# KiCad board Pre-Layout.kicad_pcb
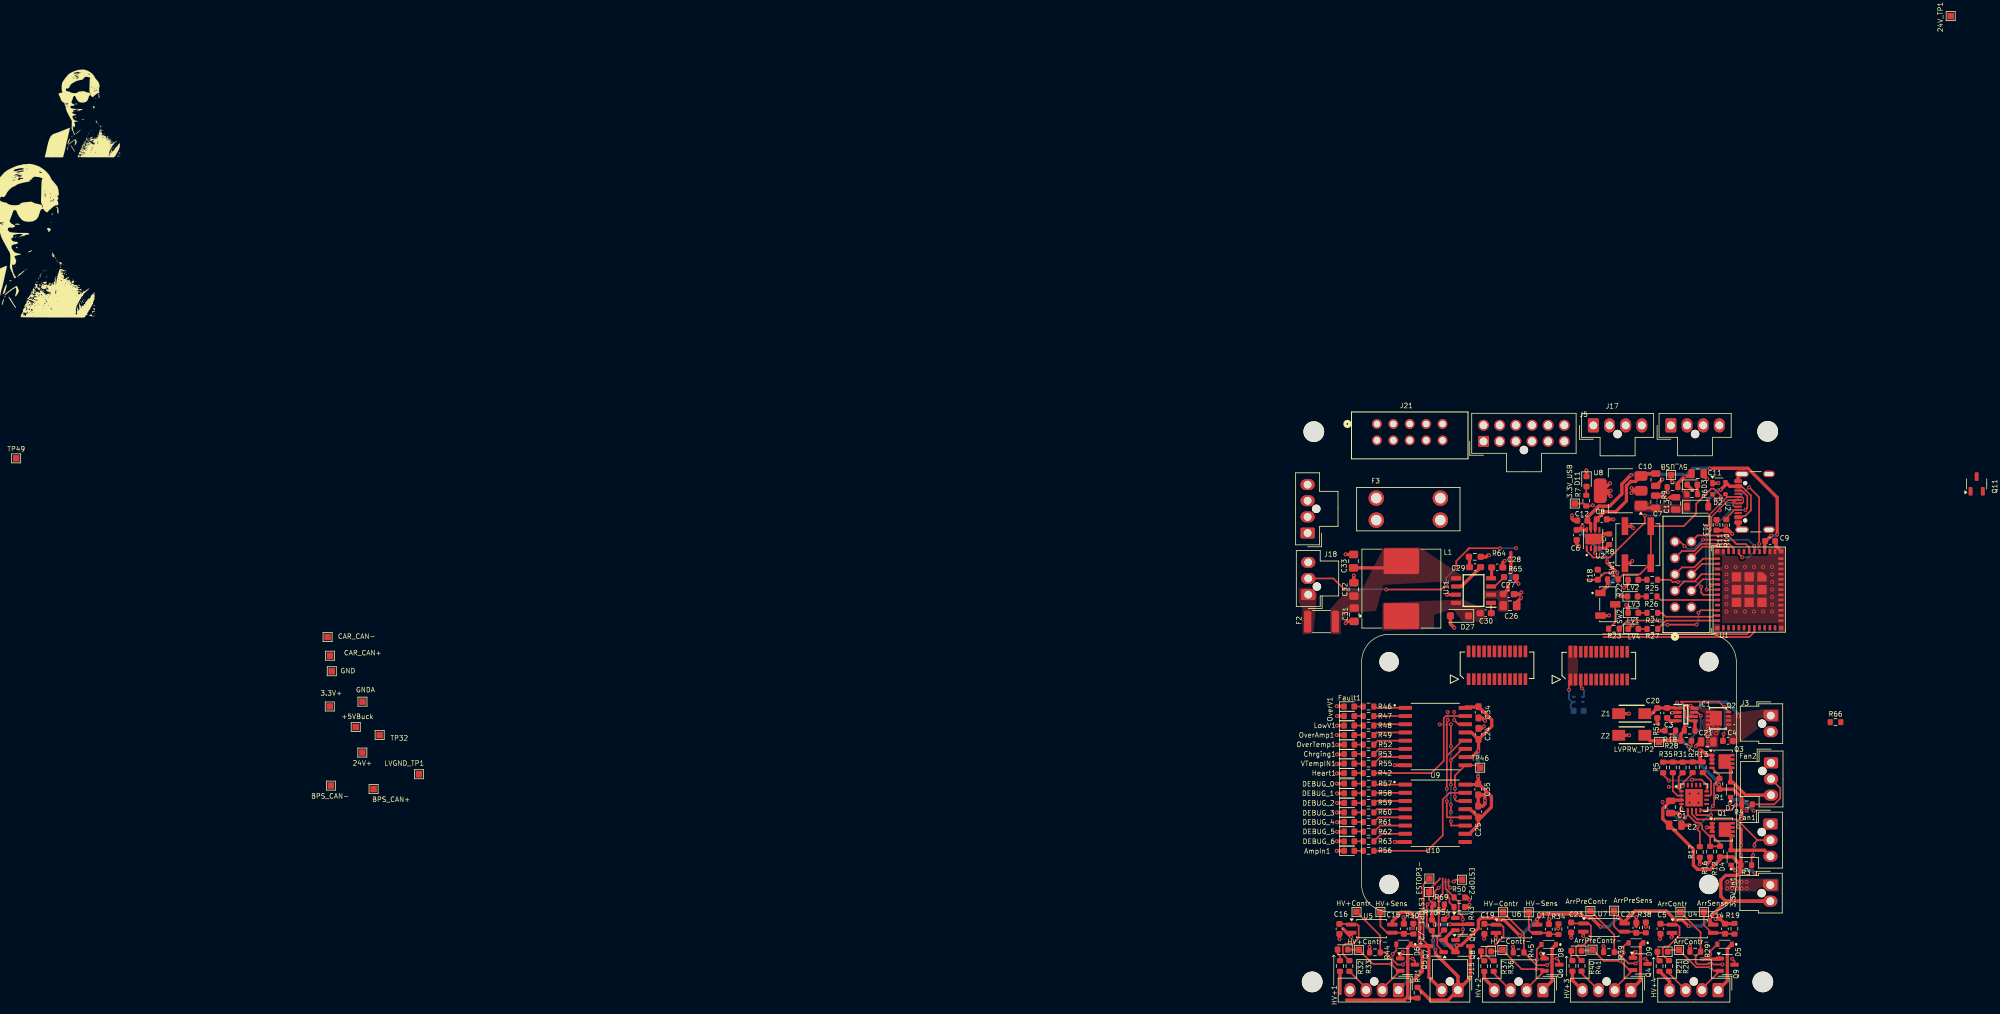
[diagram p0: board, top side]
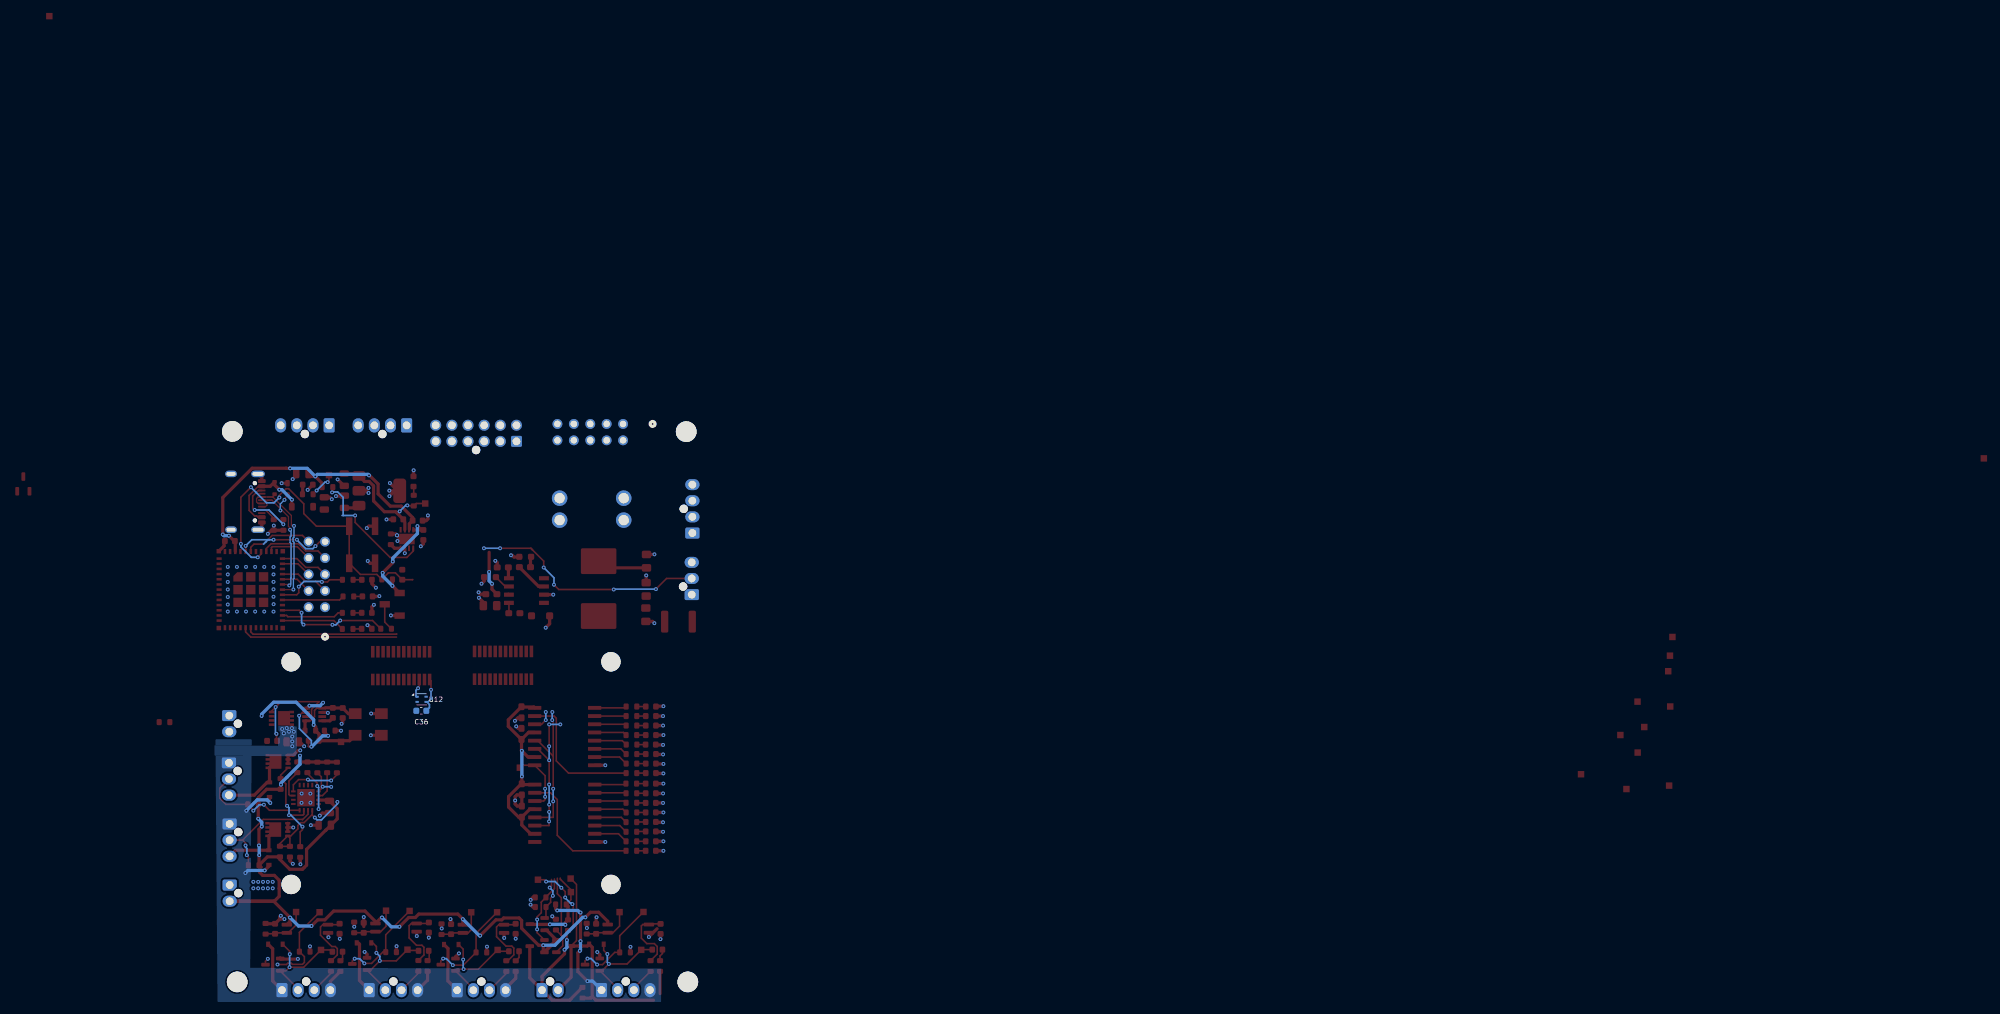
[diagram p1: board, bottom side, seen from below]

No outline. copper layers: Top, Bottom. Coordinates in mm from the lowest, leftmost part position.
Stack: Top 0.035mm / dielectric 1.51mm FR4 er 4.5 / Bottom 0.035mm

## Placement (name value [footprint] x y rotation side)
3.3V_In1  Conn_01x02  [Molex_Nano-Fit_105309-xx02_1x02_P2.50mm_Vertical]  435.91 16.68 0 top
3.3V_USB  TestPoint  [TestPoint_Pad_1.0x1.0mm]  405.64 75.79 180 top
24V_TP1  TestPoint  [TestPoint_Pad_1.0x1.0mm]  463.83 151.29 180 top
AmpIn1  AmpIn  [LED_0603_1608Metric]  370.74 21.98 0 top
C1  1uF  [C_0805_2012Metric]  420.47 28.77 270 top
C2  1uF  [C_0805_2012Metric]  421.2 25.95 0 top
C3  220n  [C_0603_1608Metric]  419.95 43.35 270 top
C4  22n  [C_0603_1608Metric]  429.35 39.01 0 top
C5  0.1u  [C_0603_1608Metric]  418.9 9.91 90 top
C6  0.1u  [C_0603_1608Metric]  405.94 70.91 270 top
C7  10u  [C_0805_2012Metric]  418.15 76.06 90 top
C8  0.1u  [C_0603_1608Metric]  409.81 73.33 0 top
C9  0.1u  [C_0603_1608Metric]  435.88 69.97 0 top
C10  10u  [C_0805_2012Metric]  418.18 79.48 270 top
C11  10u  [C_0805_2012Metric]  424.66 80.41 0 top
C12  0.1u  [C_0603_1608Metric]  406.82 73.14 180 top
C13  10u  [C_0805_2012Metric]  421.26 75.8 90 top
C14  1u  [C_0603_1608Metric]  428.89 9.9 270 top
C15  1u  [C_0603_1608Metric]  379.19 9.89 270 top
C16  0.1u  [C_0603_1608Metric]  369.21 9.88 90 top
C17  1u  [C_0603_1608Metric]  401.64 9.84 270 top
C18  0.1u  [C_0603_1608Metric]  409.2 64.76 90 top
C19  0.1u  [C_0603_1608Metric]  391.65 9.9 90 top
C20  1u  [C_0603_1608Metric]  418.42 43.33 90 top
C21  10u  [C_0805_2012Metric]  426.15 38.86 180 top
C22  1u  [C_0603_1608Metric]  415.16 10.05 270 top
C23  0.1u  [C_0603_1608Metric]  405.08 10.1 90 top
C24  0.1u  [C_0603_1608Metric_Pad1.08x0.95mm_HandSolder]  390.75 40.09 90 top
C25  0.1u  [C_0603_1608Metric_Pad1.08x0.95mm_HandSolder]  390.69 28.05 90 top
C26  10u  [C_0805_2012Metric_Pad1.18x1.45mm_HandSolder]  395.61 59.96 0 top
C27  1u  [C_0603_1608Metric_Pad1.08x0.95mm_HandSolder]  395.41 61.74 0 top
C28  10n  [C_0603_1608Metric_Pad1.08x0.95mm_HandSolder]  393.64 65.89 0 top
C29  3.3n  [C_0603_1608Metric_Pad1.08x0.95mm_HandSolder]  390.21 65.93 180 top
C30  0.1u  [C_0603_1608Metric_Pad1.08x0.95mm_HandSolder]  391.86 58.79 180 top
C31  10uF  [C_0805_2012Metric_Pad1.18x1.45mm_HandSolder]  371.5 58.56 270 top
C32  10uF  [C_0805_2012Metric_Pad1.18x1.45mm_HandSolder]  371.45 62.48 90 top
C33  10uF  [C_0805_2012Metric_Pad1.18x1.45mm_HandSolder]  371.4 66.85 90 top
C34  0.1u  [C_0603_1608Metric_Pad1.08x0.95mm_HandSolder]  390.75 43.44 270 top
C35  0.1u  [C_0603_1608Metric_Pad1.08x0.95mm_HandSolder]  390.69 31.5 270 top
C36  1u  [C_0603_1608Metric]  406.25 43.67 0 bottom
Chrging1  Chrging  [LED_0603_1608Metric]  370.73 36.97 0 top
D1  1N5819HW-7-F  [D_SOD-123]  424.65 75.29 0 top
D2  SP0503BAHT  [SOT-143]  427.96 78.18 0 top
D3  PWR  [LED_0603_1608Metric]  423.83 78.7 0 top
D4  VSSAF522-M3/H  [MMDL101T1G]  429.84 20.94 90 top
D5  VSSAF522-M3/H  [MMDL101T1G]  428.83 7.51 180 top
D6  VSSAF522-M3/H  [MMDL101T1G]  379.14 7.51 180 top
D7  VSSAF522-M3/H  [MMDL101T1G]  429.75 31.45 90 top
D8  VSSAF522-M3/H  [MMDL101T1G]  401.61 7.46 180 top
D9  VSSAF522-M3/H  [MMDL101T1G]  415.12 7.72 180 top
D11  PWR  [LED_0603_1608Metric]  407.46 79.2 270 top
D27  MBR230S1F  [D_SOD-123F]  387.79 58.39 180 top
DEBUG_0  DEBUG_0  [LED_0603_1608Metric]  370.74 32.39 0 top
DEBUG_1  DEBUG_1  [LED_0603_1608Metric]  370.73 30.89 0 top
DEBUG_2  DEBUG_2  [LED_0603_1608Metric]  370.74 29.4 0 top
DEBUG_3  DEBUG_3  [LED_0603_1608Metric]  370.74 27.92 0 top
DEBUG_4  DEBUG_4  [LED_0603_1608Metric]  370.74 26.45 0 top
DEBUG_5  DEBUG_5  [LED_0603_1608Metric]  370.74 24.98 0 top
DEBUG_6  DEBUG_6  [LED_0603_1608Metric]  370.74 23.45 0 top
F2  SMD1812B300TFT  [Fuse_1812_4532Metric]  366.45 57.48 180 top
F3  Fuse  [FUSE_3568]  379.88 74.91 0 top
Fan1  Conn_01x03  [Molex_Nano-Fit_105309-xx03_1x03_P2.50mm_Vertical]  435.93 26.14 0 top
Fan2  Conn_01x03  [Molex_Nano-Fit_105309-xx03_1x03_P2.50mm_Vertical]  436.02 35.6 0 top
Fault1  Fault  [LED_0603_1608Metric]  370.73 44.33 0 top
H1  MountingHole  [MountingHole_3.2mm_M3]  365.25 86.92 0 top
H2  MountingHole  [MountingHole_3.2mm_M3]  435.5 86.96 0 top
H3  MountingHole  [MountingHole_3.2mm_M3]  434.75 1.67 0 top
H4  MountingHole  [MountingHole_3.2mm_M3]  365 1.67 0 top
Heart1  Heart  [LED_0603_1608Metric]  370.73 34.02 0 top
HV+1  LED  [LED_0603_1608Metric]  369.71 6.67 180 top
HV+2  LED  [LED_0603_1608Metric]  391.91 6.42 180 top
HV+3  LED  [LED_0603_1608Metric]  405.89 6.49 180 top
HV+4  LED  [LED_0603_1608Metric]  419.23 6.35 180 top
IC1  LM74502HDDFR  [SOT65P280X110-8N]  422.84 43.1 0 top
J1  ~  [LeaderSOM]  401.49 56.72 0 top
J2  USB_C_Receptacle_USB2.0_16P  [USB_C_Receptacle_GCT_USB4105-xx-A_16P_TopMnt_Horizontal]  434.62 76.05 90 top
J3  CarLVPowerConnector  [Molex_Nano-Fit_105309-xx02_1x02_P2.50mm_Vertical]  435.98 42.93 0 top
J4  ContactorConnector  [Molex_Nano-Fit_105309-xx04_1x04_P2.50mm_Vertical]  424.75 0.66 270 top
J5  Conn_02x06_Counter_Clockwise  [Molex_Nano-Fit_105310-xx12_2x06_P2.50mm_Vertical]  391.52 85.41 90 top
J6  PeripheralCAN  [Molex_Nano-Fit_105309-xx04_1x04_P2.50mm_Vertical]  423.59 87.63 90 top
J7  PeripheralCAN  [Molex_Nano-Fit_105309-xx04_1x04_P2.50mm_Vertical]  364.55 74.28 180 top
J9  ContactorConnector  [Molex_Nano-Fit_105309-xx04_1x04_P2.50mm_Vertical]  375.28 0.66 270 top
J10  ContactorConnector  [Molex_Nano-Fit_105309-xx04_1x04_P2.50mm_Vertical]  397.63 0.65 270 top
J11  ContactorConnector  [Molex_Nano-Fit_105309-xx04_1x04_P2.50mm_Vertical]  411.25 0.66 270 top
J13  SFH11-PBPC-D05-ST-BK  [CONN_SFH11-xxxC-D05-ST-XX_SUL]  421.15 59.72 90 top
J15  Conn_01x02  [Molex_Nano-Fit_105309-xx02_1x02_P2.50mm_Vertical]  387.57 0.4 270 top
J17  Conn_01x04  [Molex_Nano-Fit_105309-xx04_1x04_P2.50mm_Vertical#2]  408.52 87.89 90 top
J18  Conn_01x03  [Molex_Nano-Fit_105309-xx03_1x03_P2.50mm_Vertical]  364.39 61.67 180 top
J21  SFH11-PBPC-D05-ST-BK  [CONN_SFH11-xxxC-D05-ST-XX_SUL]  375.02 88.11 0 top
L1  100uH  [L_Coilcraft_MSS1246-XXX]  378.81 62.6 90 top
LOGO1  Motivational Monkey  [Motivational_Monkey2]  0 133.64 180 bottom
LOGO2  Kureti  [Hallock_Image_Tiny]  174.18 136.39 0 top
LOGO3  UTSVT  [Hallock_Image_Small]  165.52 116.8 0 top
LowV1  LowV  [LED_0603_1608Metric]  370.73 41.38 0 top
LV1  LED  [LED_0603_1608Metric]  414.69 58.85 0 top
LV2  LED  [LED_0603_1608Metric]  414.68 63.97 0 top
LV3  LED  [LED_0603_1608Metric]  414.58 61.39 0 top
LV4  LED  [LED_0603_1608Metric]  414.7 56.37 0 top
LVGND_TP1  TestPoint  [TestPoint_Pad_1.0x1.0mm]  226.75 33.84 90 top
LVPRW_TP2  TestPoint  [TestPoint_Pad_1.0x1.0mm]  418.68 38.86 180 top
OverAmp1  OverAmp  [LED_0603_1608Metric]  370.73 39.91 0 top
OverTemp1  OverTemp  [LED_0603_1608Metric]  370.75 38.44 0 top
OverV1  OverV  [LED_0603_1608Metric]  370.73 42.86 0 top
Q1  PSMN8R5-40MSDX  [LFPAK33]  428.46 25.27 0 top
Q2  -  [PSMN8R5-40MSDX]  427.79 42.5 90 top
Q3  PSMN8R5-40MSDX  [LFPAK33]  428.41 35.82 0 top
Q4  PMV213SN,215  [SOT-23-3]  415.79 4.46 0 top
Q5  PMV213SN,215  [SOT-23-3]  379.76 4.35 0 top
Q6  PMV213SN,215  [SOT-23-3]  402.1 4.34 0 top
Q7  PMV213SN,215  [SOT-23-3]  384.21 7.23 180 top
Q8  PMV213SN,215  [SOT-23-3]  388.33 7.21 0 top
Q9  PMV213SN,215  [SOT-23-3]  429.23 4.34 0 top
Q10  PMV213SN,215  [SOT-23-3]  388.3 10.62 0 top
Q11  PMV213SN,215  [SOT-23-3]  467.85 78.82 90 top
R1  10k  [R_0603_1608Metric]  428.03 32.34 270 top
R2  10k  [R_0603_1608Metric]  423.88 34.92 270 top
R3  5k  [R_0603_1608Metric]  432.19 19.75 0 top
R4  5k  [R_0603_1608Metric]  432.3 29.17 0 top
R5  10k  [R_0603_1608Metric]  419.32 34.89 270 top
R6  450  [R_0603_1608Metric]  423.82 77.22 0 top
R7  120  [R_0603_1608Metric]  407.42 76.24 90 top
R8  1k  [R_0603_1608Metric]  410.96 70.25 90 top
R9  10k  [R_0603_1608Metric]  420.77 78.33 180 top
R10  5.1k  [R_0603_1608Metric]  429.09 72.46 270 top
R11  5.1k  [R_0603_1608Metric]  427.59 72.47 270 top
R12  10k  [R_0603_1608Metric]  428.13 21.87 270 top
R13  10k  [R_0603_1608Metric]  425.45 34.92 270 top
R16  100k  [R_0603_1608Metric]  426.59 21.84 270 top  (not fitted)
R17  100k  [R_0603_1608Metric]  425 21.8 270 top  (not fitted)
R18  10k  [R_0603_1608Metric]  423.43 40.6 0 top
R19  10k  [R_0603_1608Metric]  430.35 9.9 90 top
R20  1k  [R_0603_1608Metric]  420.23 4.14 270 top
R21  4.3k  [R_0603_1608Metric]  418.77 4.13 270 top
R22  10k  [R_0603_1608Metric]  411.54 64.03 0 top
R23  10k  [R_0603_1608Metric]  411.7 56.38 180 top
R24  120  [R_0603_1608Metric]  417.65 58.84 180 top
R25  120  [R_0603_1608Metric]  417.63 63.97 180 top
R26  120  [R_0603_1608Metric]  417.54 61.38 180 top
R27  120  [R_0603_1608Metric]  417.65 56.35 180 top
R28  200k  [R_0603_1608Metric]  422.91 39.04 0 top
R29  10k  [R_0603_1608Metric]  424.3 6.36 0 top
R30  10k  [R_0603_1608Metric]  380.65 9.92 90 top
R31  10k  [R_0603_1608Metric]  422.34 34.89 270 top
R32  4.3k  [R_0603_1608Metric]  369.3 4.13 270 top
R33  1k  [R_0603_1608Metric]  370.76 4.13 270 top
R34  10k  [R_0603_1608Metric]  403.12 9.84 90 top
R35  10k  [R_0603_1608Metric]  420.83 34.91 270 top
R36  4.3k  [R_0603_1608Metric]  391.63 4.12 270 top
R37  1k  [R_0603_1608Metric]  393.1 4.13 270 top
R38  10k  [R_0603_1608Metric]  416.64 10.11 90 top
R39  10k  [R_0603_1608Metric]  410.93 6.29 0 top
R40  4.3k  [R_0603_1608Metric]  405.28 4.15 270 top
R41  1k  [R_0603_1608Metric]  406.7 4.16 270 top
R42  150  [R_0603_1608Metric]  373.72 34.02 180 top
R43  10k  [R_0603_1608Metric]  387.78 13.28 0 top
R44  10k  [R_0603_1608Metric]  374.71 6.25 0 top
R45  10k  [R_0603_1608Metric]  396.95 6.24 0 top
R46  150  [R_0603_1608Metric]  373.72 44.33 180 top
R47  150  [R_0603_1608Metric]  373.72 42.86 180 top
R48  150  [R_0603_1608Metric]  373.72 41.38 180 top
R49  150  [R_0603_1608Metric]  373.73 39.91 180 top
R50  10k  [R_0603_1608Metric]  387.79 14.76 0 top
R51  9k  [R_0603_1608Metric]  420.42 40.61 180 top
R52  150  [R_0603_1608Metric]  373.71 38.44 180 top
R53  150  [R_0603_1608Metric]  373.72 36.97 180 top
R54  10k  [R_0603_1608Metric]  385.41 10.55 90 top
R55  150  [R_0603_1608Metric]  373.72 35.49 180 top
R56  120  [R_0603_1608Metric]  373.74 21.98 180 top
R57  150  [R_0603_1608Metric]  373.75 32.39 180 top
R58  150  [R_0603_1608Metric]  373.74 30.89 180 top
R59  150  [R_0603_1608Metric]  373.74 29.42 180 top
R60  150  [R_0603_1608Metric]  373.73 27.92 180 top
R61  150  [R_0603_1608Metric]  373.74 26.42 180 top
R62  150  [R_0603_1608Metric]  373.74 24.93 180 top
R63  150  [R_0603_1608Metric]  373.74 23.45 180 top
R64  16k  [R_0603_1608Metric_Pad0.98x0.95mm_HandSolder]  390.18 67.53 0 top
R65  ROSC  [R_0603_1608Metric_Pad0.98x0.95mm_HandSolder]  395.61 64.38 0 top  (not fitted)
R66  10k  [R_0603_1608Metric]  446 41.92 180 top
R69  0  [R_0603_1608Metric]  384.64 13.67 180 top  (not fitted)
R70  0  [R_0603_1608Metric]  383.54 10.46 270 top  (not fitted)
R71  0  [R_0603_1608Metric]  381.3 0 270 top  (not fitted)
SW1  RESET  [SW_SPST_B3SL-1002P]  415.41 69.4 90 top
SW2  BOOT  [SW_CJS-1200TA]  410.76 60.17 270 top
TP1  TestPoint  [TestPoint_Pad_1.0x1.0mm]  216.96 41.16 180 top
TP2  TestPoint  [TestPoint_Pad_1.0x1.0mm]  213.11 32.08 90 top
TP3  TestPoint  [TestPoint_Pad_1.0x1.0mm]  219.72 31.55 270 top
TP5  TestPoint  [TestPoint_Pad_1.0x1.0mm]  383.1 15.58 270 top
TP6  TestPoint  [TestPoint_Pad_1.0x1.0mm]  383.14 17.68 270 top
TP7  TestPoint  [TestPoint_Pad_1.0x1.0mm]  372.21 6.63 270 top
TP9  TestPoint  [TestPoint_Pad_1.0x1.0mm]  408.39 6.67 0 top
TP10  TestPoint  [TestPoint_Pad_1.0x1.0mm]  388.2 17.5 270 top
TP29  TestPoint  [TestPoint_Pad_1.0x1.0mm]  218 45.09 0 top
TP30  TestPoint  [TestPoint_Pad_1.0x1.0mm]  213.25 49.8 270 top
TP31  TestPoint  [TestPoint_Pad_1.0x1.0mm]  212.94 44.34 0 top
TP32  TestPoint  [TestPoint_Pad_1.0x1.0mm]  220.66 39.92 0 top
TP33  TestPoint  [TestPoint_Pad_1.0x1.0mm]  217.98 37.2 0 top
TP34  TestPoint  [TestPoint_Pad_1.0x1.0mm]  421.78 6.62 0 top
TP36  TestPoint  [TestPoint_Pad_1.0x1.0mm]  394.44 6.63 270 top
TP37  TestPoint  [TestPoint_Pad_1.0x1.0mm]  398.52 12.46 270 top
TP38  TestPoint  [TestPoint_Pad_1.0x1.0mm]  422 12.47 270 top
TP39  TestPoint  [TestPoint_Pad_1.0x1.0mm]  394.52 12.46 270 top
TP40  TestPoint  [TestPoint_Pad_1.0x1.0mm]  425.63 12.5 270 top
TP41  TestPoint  [TestPoint_Pad_1.0x1.0mm]  411.71 12.71 0 top
TP42  TestPoint  [TestPoint_Pad_1.0x1.0mm]  408.06 12.67 0 top
TP44  TestPoint  [TestPoint_Pad_1.0x1.0mm]  375.56 12.48 270 top
TP45  TestPoint  [TestPoint_Pad_1.0x1.0mm]  371.86 12.5 270 top
TP46  TestPoint  [TestPoint_Pad_1.0x1.0mm]  391 34.86 0 top
TP48  TestPoint  [TestPoint_Pad_1.0x1.0mm]  420.55 80.19 180 top
TP49  TestPoint  [TestPoint_Pad_1.0x1.0mm]  212.6 55.11 180 top
TP49#2  TestPoint  [TestPoint_Pad_1.0x1.0mm]  164.4 82.78 0 top
TP50  TestPoint  [TestPoint_Pad_1.0x1.0mm]  212.98 52.21 180 top
U1  ESP32-C6-MINI-1/U  [ESP32-C6-MINI-1]  435.35 62.45 270 top
U2  TPS2115ADRBR  [SON65P300X300X100-9N]  408.48 70.29 90 top
U3  EMC2305-1-AP-TR  [QFN16_4x4MC_MCH]  424.11 30.21 0 top
U4  -  [EL3H7]  423.88 9.9 0 top
U5  -  [EL3H7]  374.21 9.92 0 top
U6  -  [EL3H7]  396.63 9.9 0 top
U7  -  [EL3H7]  410.16 10.09 0 top
U8  LT1963AEST-3.3#TRPBF  [SOT-223-3_TabPin2]  412.75 77.76 180 top
U9  74HC594  [SOIC127P1030X265-16N]  384.06 39.68 0 top
U10  74HC594  [SOIC127P1030X265-16N]  384.04 27.8 0 top
U11  -  [TPS5405DR]  389.98 62.3 180 top
U12  SHT4x  [Sensirion_DFN-4_1.5x1.5mm_P0.8mm_SHT4x_NoCentralPad]  406.2 45.45 180 bottom
VTempIN1  VTempIN  [LED_0603_1608Metric]  370.73 35.49 0 top
Z1  SMAF4751A-TP  [SODFL5026X125N]  414.46 43.23 180 top
Z2  SMAF4751A-TP  [SODFL5026X125N]  414.47 39.88 180 top

## Library data of the parts
3.3V_In1 J15 = -: Description: Generic connector, single row, 01x02, script generated (kicad-library-utils/schlib/autogen/connector/); ki_fp_filters: Connector*:*_1x??_*
3.3V_USB 24V_TP1 LVGND_TP1 LVPRW_TP2 TP1-TP3 TP5-TP7 TP9 TP10 TP29-TP34 TP36-TP42 TP44-TP46 TP48 TP49#2 TP50 = -: Description: test point; ki_fp_filters: Pin* Test*
AmpIn1 Chrging1 DEBUG_0-DEBUG_6 Fault1 Heart1 HV+1-HV+4 LowV1 LV1-LV4 OverAmp1 OverTemp1 OverV1 VTempIN1 = -: Description: Light emitting diode; Sim.Pins: 1=K 2=A; ki_fp_filters: LED* LED_SMD:* LED_THT:*
C1 C2 = -: Datasheet: https://www.mouser.com/datasheet/2/447/KEM_C1006_X5R_SMD-3316465.pdf; Description: Unpolarized capacitor, small symbol; P/N: C0805C105K5PACTU; ki_fp_filters: C_*
C3-C5 C9 C11 C14-C25 C34-C36 = -: Description: Unpolarized capacitor; ki_fp_filters: C_*
C6-C8 C12 = -: Description: Unpolarized capacitor; P/N: UMK107B7104KAHT; ki_fp_filters: C_*
C10 C13 = -: Description: Unpolarized capacitor; P/N: MLAST168BB5106MTNA01; ki_fp_filters: C_*
C26 C31-C33 = -: Description: Unpolarized capacitor; P/N: GRM21BR61H106KE43K; ki_fp_filters: C_*
C27 = -: Description: Unpolarized capacitor; P/N: MLASU168SB5105KTNA01; ki_fp_filters: C_*
C28 = -: Description: Unpolarized capacitor; P/N: MSASH168SB5103KTNA01; ki_fp_filters: C_*
C29 = -: Description: Unpolarized capacitor; P/N: 06035C332K4T2A; ki_fp_filters: C_*
C30 = -: Description: Unpolarized capacitor; P/N: MLASH168SB7104KTNA01; ki_fp_filters: C_*
D1 = -: Description: Schottky diode; ki_fp_filters: TO-???* *_Diode_* *SingleDiode* D_*
D2 = -: Datasheet: http://www.littelfuse.com/~/media/files/littelfuse/technical%20resources/documents/data%20sheets/sp05xxba.pdf; Mouser Part Number: 576-SP0503BAHTG; P/N: SP0503BAHTG; ki_fp_filters: SOT?143*
D3 D11 = -: Description: Light emitting diode; P/N: HSML-C191; Sim.Pins: 1=K 2=A; ki_fp_filters: LED* LED_SMD:* LED_THT:*
D4-D9 = -: Datasheet: https://www.mouser.com/ProductDetail/Vishay-General-Semiconductor/VSSAF522-M3-H?qs=UkDUCjYnTB00gpgD%2Fb%2Fw%252BA%3D%3D; ki_fp_filters: TO?247*
D27 = -: Datasheet: https://www.onsemi.com/pdf/datasheet/ss26fl-d.pdf; Description: Schottky diode; P/N: SS24FL; ki_fp_filters: TO-???* *_Diode_* *SingleDiode* D_*
F2 = -: Datasheet: https://4donline.ihs.com/images/VipMasterIC/IC/YAGO/YAGO-S-A0012927858/YAGO-S-A0012927859-1.pdf?hkey=CECEF36DEECDED6468708AAF2E19C0C6; Description: PPTC Fuse; ki_fp_filters: *Fuse*
F3 = -: ki_fp_filters: *Fuse*
Fan1 Fan2 J18 = -: Description: Generic connector, single row, 01x03, script generated (kicad-library-utils/schlib/autogen/connector/); ki_fp_filters: Connector*:*_1x??_*
H1-H4 = -: Description: Mounting Hole without connection; ki_fp_filters: MountingHole*
IC1 = -: Datasheet: https://www.ti.com/lit/ds/symlink/lm74502h.pdf?HQS=dis-mous-null-mousermode-dsf-pf-null-wwe&ts=1659509238199&ref_url=https%253A%252F%252Fwww.mouser.vn%252F; Description: Hot Swap Voltage Controllers 3.2-V to 65-V industrial RPP controller with load disconnect, OVP, and high gate drive; Height: 1.1; Mouser Part Number: 595-LM74502HDDFR; Mouser Price/Stock: https://www.mouser.co.uk/ProductDetail/Texas-Instruments/LM74502HDDFR?qs=t7xnP681wgWDbfat8Yg%252B%2Fg%3D%3D; Manufacturer_Name: Texas Instruments
J1 = -: Datasheet: https://www.molex.com/en-us/products/part-detail/533072471; Description: Symbol for both board-to-board connectors from the LeaderSOM; Height: 3.55; Mouser Part Number: 538-52465-2470; Mouser Price/Stock: https://www.mouser.co.uk/ProductDetail/Molex/52465-2470?qs=sEN%2FkO1EG6Yhu4DkZwbE7Q%3D%3D; Manufacturer_Name: Molex; P/N: 52465-2470
J2 = -: Datasheet: https://www.usb.org/sites/default/files/documents/usb_type-c.zip; Description: USB 2.0-only 16P Type-C Receptacle connector; P/N: 640-USB4215-03-A; ki_fp_filters: USB*C*Receptacle*
J3 = -: Description: Connector for the car's 24V power bus
J4 J9-J11 = -: Description: Pinout for contactor connectors.
J5 = -: Description: Generic connector, double row, 02x06, counter clockwise pin numbering scheme (similar to DIP package numbering), script generated (kicad-library-utils/schlib/autogen/connector/); ki_fp_filters: Connector*:*_2x??_*
J6 J7 = -: Datasheet: https://www.mouser.com/ProductDetail/Molex/105309-1204?qs=PqFvFmEiOr6mDAWV2BJKbg%3D%3D&srsltid=AfmBOopk7YsqdMLo2_DAHKaHKt3Hg126ooPXYWv5Q2Pfx6rW7DaYZCT2; Description: Connection to the car's Peripheral CAN bus.; P/N: 105309-1204
J13 J21 = -: Datasheet: https://www.digikey.com/en/products/detail/sullins-connector-solutions/SFH11-PBPC-D05-ST-BK/1990087?gclsrc=aw.ds&gad_source=1&gad_campaignid=120565755&gbraid=0AAAAADrbLljEsXDDEt5svizMM4jeYrL-A&gclid=Cj0KCQjwwZDFBhCpARIsAB95qO2YCKMg2VQme3QQBBCFa3dTLVMMS-qCbMZE8KZJpYe-_Bi6ULwi-x0aAvv3EALw_wcB; Description: Connector interfacing with logic analyzers; ki_fp_filters: CONN_SFH11-xxxC-D05-ST-XX_SUL
J17 = -: Description: Generic connector, single row, 01x04, script generated (kicad-library-utils/schlib/autogen/connector/); ki_fp_filters: Connector*:*_1x??_*
L1 = -: Datasheet: https://www.mouser.com/datasheet/2/597/mss1246-270708.pdf; Description: Inductor; P/N: MSS1246-104MLC; ki_fp_filters: Choke_* *Coil* Inductor_* L_*
LOGO1-LOGO3 = -: Description: Graph footprint placeholder
Q1 Q3 = -: Datasheet: https://assets.nexperia.com/documents/data-sheet/PSMN8R5-40MSD.pdf; Description: 30A Id, 40V Vds, N-Channel TrenchMOS MOSFET, 27mOhm Ron, 19.5nC Qqd, -55 to 175 °C, LFPAK33; ki_fp_filters: LFPAK33*
Q2 = -: Datasheet: https://assets.nexperia.com/documents/data-sheet/PSMN8R5-40MSD.pdf; Description: MOSFETs PSMN8R5-40MSD/SOT1210/mLFPAK; Height: 1; Mouser Part Number: 771-PSMN8R5-40MSDX; Mouser Price/Stock: https://www.mouser.co.uk/ProductDetail/Nexperia/PSMN8R5-40MSDX?qs=vHuUswq2%252BswjdnYdBdHaPw%3D%3D; Manufacturer_Name: Nexperia
Q4-Q11 = -: Datasheet: https://assets.nexperia.com/documents/data-sheet/PMV213SN.pdf; Description: General-purpose transistor; ki_fp_filters: LFPAK33*
R1-R13 R16-R63 R66 = -: Description: Resistor, US symbol; ki_fp_filters: R_*
R64 = -: Description: Resistor; P/N: CRCW060316K0FKTA; ki_fp_filters: R_*
R65 = -: Description: Resistor; ki_fp_filters: R_*
R69-R71 = -: Description: Resistor, small US symbol; ki_fp_filters: R_*
SW1 = -: Datasheet: http://www.apem.com/int/index.php?controller=attachment&id_attachment=488; Description: MEC 5G single pole normally-open tactile switch; P/N: EVQ-7Q203W or B3SL-1002P; ki_fp_filters: SW*MEC*5G*
SW2 = -: Description: Switch, single pole double throw
TP49 = -: Description: test point
U1 = -: Datasheet: https://www.espressif.com/sites/default/files/documentation/esp32-c6-mini-1_datasheet_en.pdf; Description: ESP32-C6-MINI-1 is a module that supports 2.4 GHz Wi-Fi 6 (802.11 ax), Bluetooth® 5 (LE), Zigbee and Thread (802.15.4)
U2 = -: Description: 2.8-5.5-V, 84-m?, 1.25-A, power mux with manual, automatic switchover and status output 8-SON -40 to 85; MF: Texas Instruments; MOUSER-PURCHASE-URL: https://snapeda.com/shop?store=Mouser&id=391793; PACKAGE: VSON-8 Texas Instruments; PRICE: None; TEXAS_INSTRUMENTS-PURCHASE-URL: https://snapeda.com/shop?store=Texas+Instruments&id=391793; AVAILABILITY: Warning
U3 = -: Datasheet: https://ww1.microchip.com/downloads/aemDocuments/documents/MSLD/ProductDocuments/DataSheets/EMC2301-2-3-5-Data-Sheet-DS20006532A.pdf; ki_fp_filters: QFN16_4x4MC_MCH QFN16_4x4MC_MCH-M QFN16_4x4MC_MCH-L
U4-U7 = -: Datasheet: https://www.digikey.com/en/products/detail/everlight-electronics-co-ltd/EL3H7-D-TA-VG/2692979; Description: OPTOISO 3.75KV 1CH TRANS 4-SSOP; P/N: EL3H7(D)(TA)-VG; Vf: 1.4V; If: 20mA; ki_fp_filters: SOP*4.4x2.6mm*P1.27mm*
U8 = -: Datasheet: https://www.analog.com/media/en/technical-documentation/data-sheets/1963aff.pdf; Description: 3.3V, 1.5A, Low Noise, Fast Transient Response LDO Regulator, SOT-223; ki_fp_filters: SOT*223*
U9 U10 = -: Datasheet: https://www.ti.com/lit/ds/symlink/sn74hc594.pdf; Description: 8-Bit Shift Registers With Output Registers; ki_fp_filters: DIP*W7.62mm* SOIC*3.9x9.9mm*P1.27mm* TSSOP*4.4x5mm*P0.65mm* SOIC*5.3x10.2mm*P1.27mm* SOIC*7.5x10.3mm*P1.27mm*